# Altium PCB TBD name.PcbDoc
Units mm, origin at the board's own origin, x right, y up, seen from the top; angles counter-clockwise.
Board outline 90 x 60 mm, 2 copper layers (Top Layer, Bottom Layer); 126 components, 76 nets, 412 pads, 0 vias.
Unrouted connection lines stored in the file: 294.
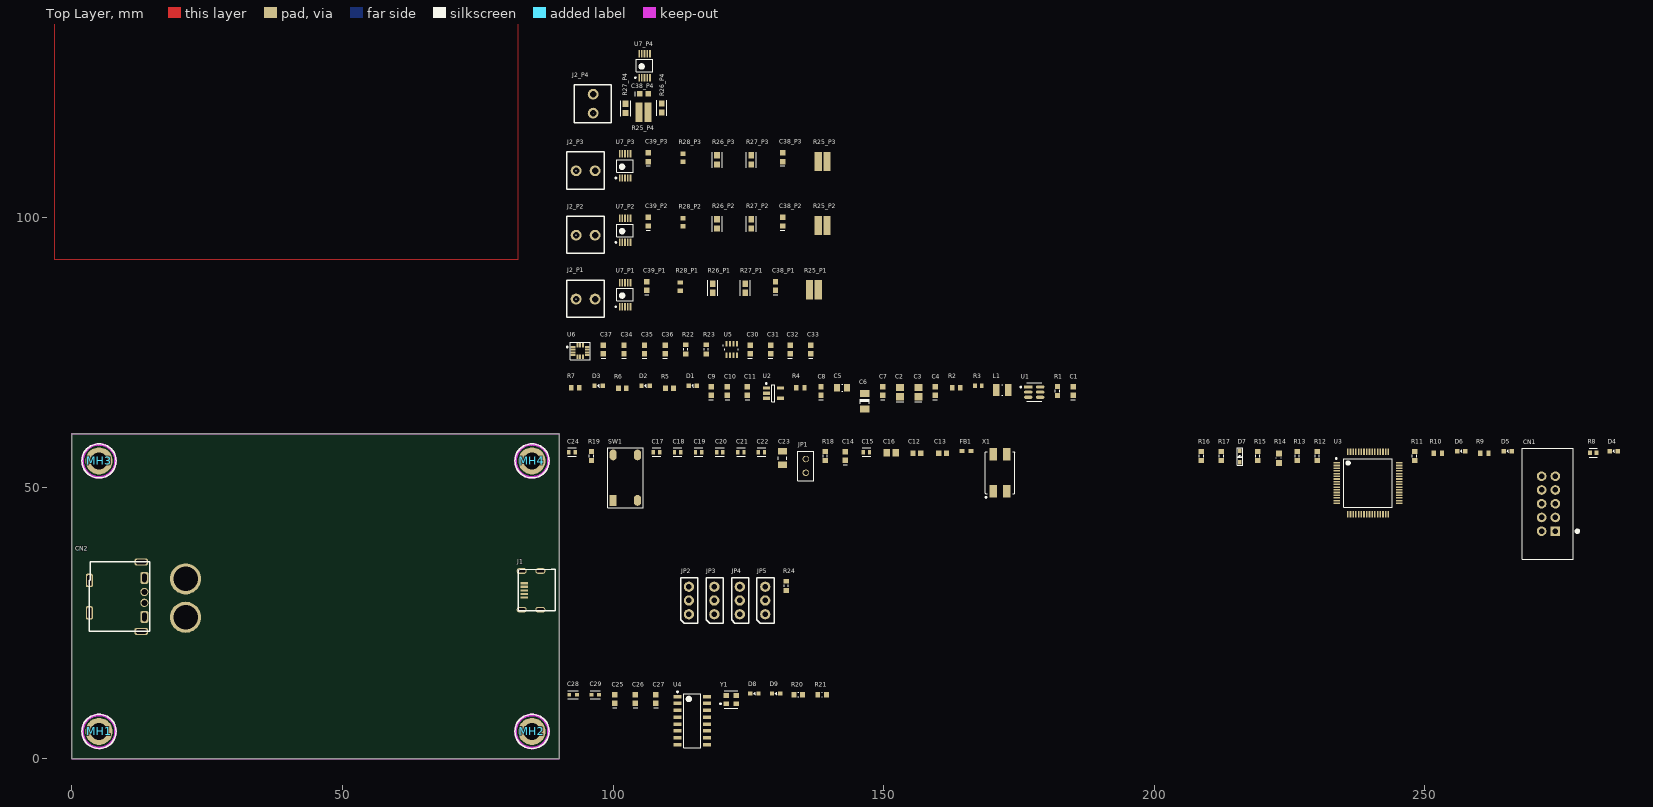
[diagram p0: Top Layer view]
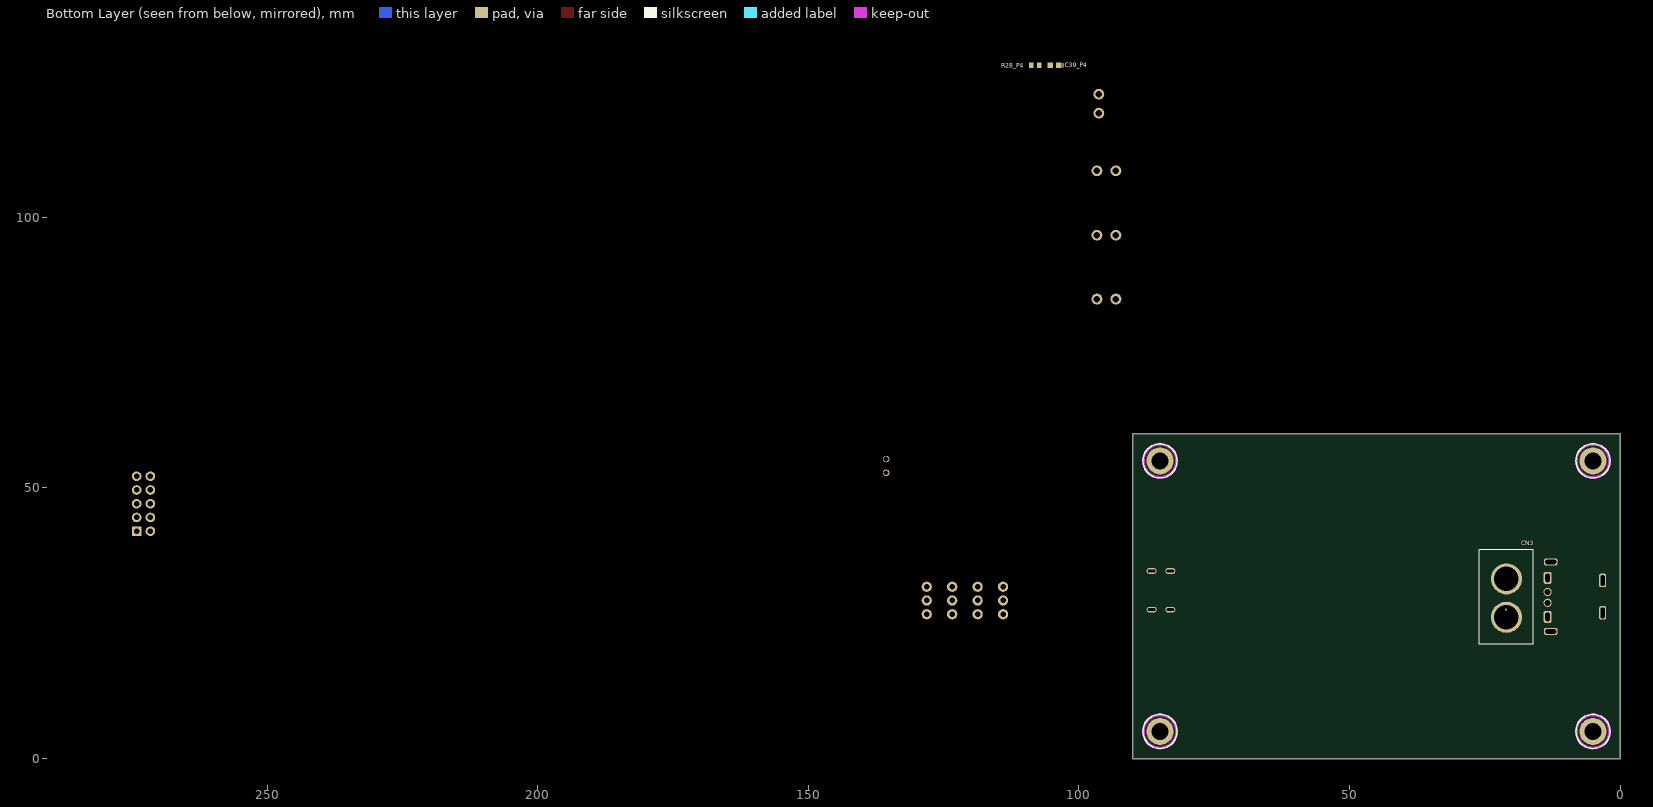
[diagram p1: Bottom Layer view, seen from below]

## Layer stack, top to bottom
Top Solder: solder mask 0.0102, Solder Resist, Dk 3.5
Top Layer: signal copper 0.0356
Dielectric 1: dielectric 0.32, FR-4, Dk 4.8
Bottom Layer: signal copper 0.0356
Bottom Solder: solder mask 0.0102, Solder Resist, Dk 3.5

## Board outline
0,0 90,0 90,60 0,60

## Design rules (kind name [scope] priority, off if disabled: settings)
Clearance [All] p1: gap=0.254 ignorepadtopadclearanceinfootprint=TRUE except(0: Arc-Hole Track-Hole SMDPad-Hole THPad-Hole Via-Hole Fill-Hole Poly-Hole Region-Hole Text-Hole)
PolygonConnect [All] p1: connectstyle=Relief reliefconductorwidth=0.254 reliefentries=4 polygonreliefangle="90 Angle" airgapwidth=0.254
RoomDefinition Sensors [InComponentClass('Sensors')] p1: confinementstyle=ConfineIn formatcopy=TRUE lockcomponents=FALSE outline 91.1,72.7 138.4,72.7 138.4,79.1 91.1,79.1
RoomDefinition Power [InComponentClass('Power')] p2: confinementstyle=ConfineIn formatcopy=TRUE lockcomponents=FALSE outline 91.1,60.6 186,60.6 186,71.4 91.1,71.4
RoomDefinition P4 [InComponentClass('P4')] p3: confinementstyle=ConfineIn formatcopy=TRUE lockcomponents=FALSE outline 91.1,116 115.1,116 115.1,133 91.1,133
RoomDefinition P3 [InComponentClass('P3')] p4: confinementstyle=ConfineIn formatcopy=TRUE lockcomponents=FALSE outline 91.1,104.1 141.8,104.1 141.8,114.7 91.1,114.7
RoomDefinition P2 [InComponentClass('P2')] p5: confinementstyle=ConfineIn formatcopy=TRUE lockcomponents=FALSE outline 91.1,92.2 141.8,92.2 141.8,102.9 91.1,102.9
RoomDefinition P1 [InComponentClass('P1')] p6: confinementstyle=ConfineIn formatcopy=TRUE lockcomponents=FALSE outline 91.1,80.4 140,80.4 140,91 91.1,91
RoomDefinition Micro [InComponentClass('Micro')] p7: confinementstyle=ConfineIn formatcopy=TRUE lockcomponents=FALSE outline 91.1,36.6 286.399,36.6 286.399,59.4 91.1,59.4
RoomDefinition External [InComponentClass('External')] p8: confinementstyle=ConfineIn formatcopy=TRUE lockcomponents=FALSE outline 91.2,15.7 151,15.7 151,35.4 91.2,35.4
RoomDefinition Communication [InComponentClass('Communication')] p9: confinementstyle=ConfineIn formatcopy=TRUE lockcomponents=FALSE outline 91.2,1.5 140.3,1.5 140.3,14.5 91.2,14.5
RoutingVias [All] p1: holewidth=0.711 width=1.27 viastyle="Through Hole" minholewidth=0.711 minwidth=1.27 maxholewidth=0.711 maxwidth=1.27
SolderMaskExpansion [All] p1: expansion=0.102 istentingtop=FALSE
Width [All] p1: maxlimit=0.254 minlimit=0.254 preferedwidth=0.254
30 further rules are at their usual default settings.

## Classes and differential pairs
channel class "Current Sensors": P1 P2 P3 P4
net class Motor_Reset[1..4]: Motor_Reset1 Motor_Reset2 Motor_Reset3 Motor_Reset4
net class Motor_Alert[1..4]: Motor_Alert1 Motor_Alert2 Motor_Alert3 Motor_Alert4
net class Motor_ADC[1..4]: Motor_ADC1 Motor_ADC2 Motor_ADC3 Motor_ADC4
component class Sensors: C30 C31 C32 C33 C34 C35 C36 C37 R22 R23 U5 U6
component class Power: C1 C2 C3 C4 C5 C6 C7 C8 C9 C10 C11 D1 D2 D3 L1 R1 R2 R3 R4 R5 R6 R7 U1 U2
component class P4: C38_P4 C39_P4 J2_P4 R25_P4 R26_P4 R27_P4 R28_P4 U7_P4
component class P3: C38_P3 C39_P3 J2_P3 R25_P3 R26_P3 R27_P3 R28_P3 U7_P3
component class P2: C38_P2 C39_P2 J2_P2 R25_P2 R26_P2 R27_P2 R28_P2 U7_P2
component class P1: C38_P1 C39_P1 J2_P1 R25_P1 R26_P1 R27_P1 R28_P1 U7_P1
component class Micro: C12 C13 C14 C15 C16 C17 C18 C19 C20 C21 C22 C23 C24 CN1 D4 D5 D6 D7 FB1 JP1 MH1 MH2 MH3 MH4 R8 R9 R10 R11 R12 R13 R14 R15 R16 R17 R18 R19 SW1 U3 X1
component class External: CN2 CN3 J1 JP2 JP3 JP4 JP5 R24
component class Communication: C25 C26 C27 C28 C29 D8 D9 R20 R21 U4 Y1

## Components (designator, comment, footprint, x,y, rotation, side; value= is the part's Value field where it differs from the comment)
C1 "0.1uF, 50V, 10%, X7R, 0603" "CAPC1608N(0603\")" 185,67.9 r90 top
C2 "22uF 35V 0805 SMD, Ceramic" "CAPC2012N(0805\")" 153,67.7 r90 top value=22µF
C3 "22uF 35V 0805 SMD, Ceramic" "CAPC2012N(0805\")" 156.4,67.7 r90 top value=22µF
C4 "Placeholder_Capacitor_0603" "CAPC1608N(0603\")" 159.5,67.9 r90 top value=DNP
C5 "10uF, 25V, X5R, 0805" CAPC2013X12N 142.3,68.5 r0 top
C6 "Placeholder_Capacitor_1206" "CAPC3216N(1206\")" 146.5,66 r90 top value=DNP
C7 "0.1uF, 50V, 10%, X7R, 0603" "CAPC1608N(0603\")" 149.8,67.9 r90 top
C8 "Placeholder_Capacitor_0603" "CAPC1608N(0603\")" 138.4,67.9 r90 top value=DNP
C9 "1uF 25V 0603 SMD, Ceramic" "CAPC1608N(0603\")" 118.1,67.9 r90 top value=1µF
C10 "0.1uF 16V 0603 SMD, Ceramic" "CAPC1608N(0603\")" 121.1,67.9 r90 top value=0.1µF
C11 "4.7uF 10V 0603 SMD, Ceramic" "CAPC1608N(0603\")" 124.8,67.9 r90 top value=4.7µF
C12 "16pF Ceramic 50V 5% 0603" CAPC1608X90X35ML10T15 156.1,56.4 r0 top
C13 "16pF Ceramic 50V 5% 0603" CAPC1608X90X35ML10T15 160.9,56.4 r0 top
C14 "2.2uF, 50V" "CAPC1608N(0603\")" 142.9,55.9 r90 top value=2.2µF
C15 "CL10B104JB8NNNC" FP-CL10-0_1-MFG 146.8,56.6 r0 top
C16 "CL21B105KBFNNNG" "0803 CAP" 151.4,56.5 r0 top
C17 "CL10B104JB8NNNC" FP-CL10-0_1-MFG 108,56.6 r0 top
C18 "CL10B104JB8NNNC" FP-CL10-0_1-MFG 111.9,56.6 r0 top
C19 "CL10B104JB8NNNC" FP-CL10-0_1-MFG 115.8,56.6 r0 top
C20 "CL10B104JB8NNNC" FP-CL10-0_1-MFG 119.7,56.6 r0 top
C21 "CL10B104JB8NNNC" FP-CL10-0_1-MFG 123.6,56.6 r0 top
C22 "CL10B104JB8NNNC" FP-CL10-0_1-MFG 127.4,56.6 r0 top
C23 "50V 10uF" CAPC3216X180X50LL20T30 131.3,55.5 r90 top
C24 "CL10B104JB8NNNC" FP-CL10-0_1-MFG 92.4,56.6 r0 top
C25 "0.1uF 16V 0603 SMD, Ceramic" "CAPC1608N(0603\")" 100.3,11 r90 top value=10µF
C26 "0.1uF 16V 0603 SMD, Ceramic" "CAPC1608N(0603\")" 104.1,11 r90 top value=0.1µF
C27 "1uF 50V 0603 SMD, Ceramic" "CAPC1608N(0603\")" 107.9,11 r90 top value=1µF
C28 "CGA3E2C0G1H180J080AA" FP-CGA3E-0_3-0_1-MFG 92.6,11.8 r0 top
C29 "CGA3E2C0G1H180J080AA" FP-CGA3E-0_3-0_1-MFG 96.7,11.8 r0 top
C30 "1uF 25V 0603 SMD, Ceramic" "CAPC1608N(0603\")" 125.3,75.6 r90 top value=1µF
C31 "0.1uF, 50V, 10%, X7R, 0603" "CAPC1608N(0603\")" 129.1,75.6 r90 top
C32 "10 nF, 50V 0603 SMD, Ceramic" "CAPC1608N(0603\")" 132.7,75.6 r90 top value=10nF
C33 "1nF, Ceramic, 50V, +-1%, SMD, NP0" "CAPC1608N(0603\")" 136.5,75.6 r90 top value=1nF
C34 "0.1uF, 50V, 10%, X7R, 0603" "CAPC1608N(0603\")" 102,75.6 r90 top
C35 "0.1uF, 50V, 10%, X7R, 0603" "CAPC1608N(0603\")" 105.8,75.6 r90 top
C36 "10 nF, 50V 0603 SMD, Ceramic" "CAPC1608N(0603\")" 109.6,75.6 r90 top value=10nF
C37 "1uF 25V 0603 SMD, Ceramic" "CAPC1608N(0603\")" 98.2,75.6 r90 top value=1µF
C38_P1 "0.1uF, 50V, 10%, X7R, 0603" "CAPC1608N(0603\")" 130,87.3 r90 top (schematic designator C38)
C38_P2 "0.1uF, 50V, 10%, X7R, 0603" "CAPC1608N(0603\")" 131.3,99.2 r90 top (schematic designator C38)
C38_P3 "0.1uF, 50V, 10%, X7R, 0603" "CAPC1608N(0603\")" 131.3,111.1 r90 top (schematic designator C38)
C38_P4 "0.1uF, 50V, 10%, X7R, 0603" "CAPC1608N(0603\")" 105.7,122.8 r0 top (schematic designator C38)
C39_P1 "10 nF, 50V 0603 SMD, Ceramic" "CAPC1608N(0603\")" 106.2,87.3 r90 top value=10nF (schematic designator C39)
C39_P2 "10 nF, 50V 0603 SMD, Ceramic" "CAPC1608N(0603\")" 106.5,99.2 r90 top value=10nF (schematic designator C39)
C39_P3 "10 nF, 50V 0603 SMD, Ceramic" "CAPC1608N(0603\")" 106.5,111.1 r90 top value=10nF (schematic designator C39)
C39_P4 "10 nF, 50V 0603 SMD, Ceramic" "CAPC1608N(0603\")" 104.5,128.1 r0 bottom value=10nF (schematic designator C39)
CN1 "ST Debug Header 10-pin THT" "10-pin shrouded header THT" 274.099,42 r90 top
CN2 "USB - Type A Female" "USB - Type A Female-Footprint-1" 13.38,29.773 r270 top
CN3 "XT-60, Male, 1x2, Through hole" "XT-60 Male" 21,26.1 r90 bottom
D1 "LT Q39G-Q1OO-25-1" FP-LB_Q39E-MFG 114.7,68.9 r0 top
D2 "LT Q39G-Q1OO-25-1" FP-LB_Q39E-MFG 106,68.9 r0 top
D3 "LT Q39G-Q1OO-25-1" FP-LB_Q39E-MFG 97.3,68.9 r0 top
D4 "Red" FP-LB_Q39E-MFG 284.899,56.8 r0 top
D5 "Blue" FP-LB_Q39E-MFG 265.299,56.8 r0 top
D6 "Green" FP-LB_Q39E-MFG 256.699,56.8 r0 top
D7 "CUS08F30,H3F" SC-76 215.8,55.8 r90 top
D8 "LT Q39G-Q1OO-25-1" FP-LB_Q39E-MFG 126.1,12 r0 top
D9 "LSQ976-NR-1" FP-LB_Q39E-MFG 130.1,12 r0 top
FB1 "BLM18AG601SN1D" MURA-BLM18-F-H1-CHIP-2_V 165.3,56.8 r0 top
J1 "USB - Micro B Female SMD" "Edge Connector" 83.6,31.075 r90 top
J2_P1 "2x1 Terminal Block 3.5mm" "2x1 Terminal Block 3.5mm-Footprint-1" 94.9,84.9 r0 top (schematic designator J2)
J2_P2 "2x1 Terminal Block 3.5mm" "2x1 Terminal Block 3.5mm-Footprint-1" 94.9,96.7 r0 top (schematic designator J2)
J2_P3 "2x1 Terminal Block 3.5mm" "2x1 Terminal Block 3.5mm-Footprint-1" 94.9,108.6 r0 top (schematic designator J2)
J2_P4 "2x1 Terminal Block 3.5mm" "2x1 Terminal Block 3.5mm-Footprint-1" 96.3,121 r90 top (schematic designator J2)
JP1 "1x2 Male Header" "2X1 Males Header" 135.6,52.8 r90 top
JP2 "1x3 Male Jumper" "Header, Male, 1x3, Pitch: 0.1\" (2.54mm),THT" 114,29.2 r90 top
JP3 "1x3 Male Jumper" "Header, Male, 1x3, Pitch: 0.1\" (2.54mm),THT" 118.7,29.2 r90 top
JP4 "1x3 Male Jumper" "Header, Male, 1x3, Pitch: 0.1\" (2.54mm),THT" 123.4,29.2 r90 top
JP5 "1x3 Male Jumper" "Header, Male, 1x3, Pitch: 0.1\" (2.54mm),THT" 128.1,29.2 r90 top
L1 "DFE252012P-1R5M=P2" INDC2520X12N 171.9,68.1 r0 top
MH1 "Mount_Hole_3mm" Mount-Hole_3mm 5,5 r0 top locked
MH2 "Mount_Hole_3mm" Mount-Hole_3mm 85,5 r0 top locked
MH3 "Mount_Hole_3mm" Mount-Hole_3mm 5,55 r0 top locked
MH4 "Mount_Hole_3mm" Mount-Hole_3mm 85,55 r0 top locked
R1 "0R, 1%, 1/10W, 0603 SMD" "RESC1608N(0603\")" 182.1,67.9 r90 top value=0R
R2 "RC0603FR-0710KL" RESC1608X55X25ML10T15 163.4,68.5 r0 top
R3 "ERJ-3EKF7322V" RESC1608X55X30LL15T15 167.5,68.9 r0 top
R4 "RC0603FR-0710KL" RESC1608X55X25ML10T15 134.6,68.5 r0 top
R5 "ERJ3EKF1001V" RESC1608X55X30ML15T15 110.4,68.4 r0 top
R6 "536R" RESC1608X55X30ML15T15 101.7,68.4 r0 top
R7 "110R" RESC1608X55X25ML10T15 93,68.5 r0 top
R8 "CRCW0603330RFKEA" FP-CRCW0603-e3-IPC_C 281.099,56.5 r0 top
R9 "RC0603FR-07110RL" RESC1608X55X25ML10T15 260.999,56.4 r0 top
R10 "RC0603FR-07110RL" RESC1608X55X25ML10T15 252.399,56.4 r0 top
R11 "10kR" "RESC1608N(0603\")" 248.099,55.9 r90 top value=10k
R12 "10kR" "RESC1608N(0603\")" 230.099,55.9 r90 top value=10k
R13 "10kR" "RESC1608N(0603\")" 226.399,55.9 r90 top value=10k
R14 "169kR, 1%, 1/10W, 0603" RESC0603(1608)_M 223,55.5 r90 top
R15 "34kR, 1%, 1/10W, 0603" "RESC1608N(0603\")" 219.1,55.9 r90 top
R16 "100kR, 1%, 1/10W, 0603 SMD" "RESC1608N(0603\")" 208.7,55.9 r90 top value=100k
R17 "100kR, 1%, 1/10W, 0603 SMD" "RESC1608N(0603\")" 212.4,55.9 r90 top value=100k
R18 "10kR" "RESC1608N(0603\")" 139.2,55.9 r90 top value=10k
R19 "10kR" "RESC1608N(0603\")" 96,55.9 r90 top value=10k
R20 "RC0603FR-07750RL" RESC0603(1608)_N 134.2,11.8 r0 top
R21 "RC0603FR-07750RL" RESC0603(1608)_N 138.6,11.8 r0 top
R22 "4.7kR, 1%, 1/8W, 0603 SMD" "RESC1608N(0603\")" 113.4,75.6 r90 top value=4.7k
R23 "4.7kR, 1%, 1/8W, 0603 SMD" "RESC1608N(0603\")" 117.2,75.6 r90 top value=4.7k
R24 "0R, 1%, 1/10W, 0603 SMD" "RESC1608N(0603\")" 132,31.9 r90 top value=0R
R25_P1 "3mR, 1%, 1W, 1206" RESC1632X07M 137.1,86.6 r0 top (schematic designator R25)
R25_P2 "3mR, 1%, 1W, 1206" RESC1632X07M 138.7,98.5 r0 top (schematic designator R25)
R25_P3 "3mR, 1%, 1W, 1206" RESC1632X07M 138.7,110.3 r0 top (schematic designator R25)
R25_P4 "3mR, 1%, 1W, 1206" RESC1632X07M 105.6,119.4 r180 top (schematic designator R25)
R26_P1 "ERJ3EKF10R0V" FP-ERJ3EK-IPC_A 118.4,86.9 r90 top (schematic designator R26)
R26_P2 "ERJ3EKF10R0V" FP-ERJ3EK-IPC_A 119.2,98.8 r90 top (schematic designator R26)
R26_P3 "ERJ3EKF10R0V" FP-ERJ3EK-IPC_A 119.2,110.6 r90 top (schematic designator R26)
R26_P4 "ERJ3EKF10R0V" FP-ERJ3EK-IPC_A 109,120.2 r270 top (schematic designator R26)
R27_P1 "ERJ3EKF10R0V" FP-ERJ3EK-IPC_A 124.4,86.9 r90 top (schematic designator R27)
R27_P2 "ERJ3EKF10R0V" FP-ERJ3EK-IPC_A 125.5,98.8 r90 top (schematic designator R27)
R27_P3 "ERJ3EKF10R0V" FP-ERJ3EK-IPC_A 125.5,110.6 r90 top (schematic designator R27)
R27_P4 "ERJ3EKF10R0V" FP-ERJ3EK-IPC_A 102.3,120.151 r270 top (schematic designator R27)
R28_P1 "RC0603FR-0710KL" RESC1608X55X25ML10T15 112.4,87.2 r90 top (schematic designator R28)
R28_P2 "RC0603FR-0710KL" RESC1608X55X25ML10T15 112.9,99.1 r90 top (schematic designator R28)
R28_P3 "RC0603FR-0710KL" RESC1608X55X25ML10T15 112.9,111 r90 top (schematic designator R28)
R28_P4 "RC0603FR-0710KL" RESC1608X55X25ML10T15 108.05,128.1 r0 bottom (schematic designator R28)
SW1 "PTS645SL43SMTR92LFS" 4-SPST-NO 100,47.9 r90 top
U1 "TPS563249DDCR" FP-DDC0005A-IPC_B 177.8,67.7 r0 top
U2 "LP2981-33DBVR" SOT95P280X145-5N 129.6,67.5 r0 top
U3 "STM32F413RGT6" FP-LQFP64-5W-MFG 239.499,50.9 r0 top
U4 "WCH-CH340G" SOP127P600X175-16N 114.6,7 r0 top
U5 "BMP280 Barometric Pressure Sensor" BOSC-LGA-8_V 121.9,75.6 r0 top
U6 "LSM6DSMTR, Accelerometer/Gyroscope, LGA-14" FP-LGA-14L-DM00249496-MFG 93.9,75.3 r0 top
U7_P1 "INA381A3IDGSR" TSSOP50P490X110-10N 102.2,85.7 r90 top (schematic designator U7)
U7_P2 "INA381A3IDGSR" TSSOP50P490X110-10N 102.2,97.6 r90 top (schematic designator U7)
U7_P3 "INA381A3IDGSR" TSSOP50P490X110-10N 102.2,109.5 r90 top (schematic designator U7)
U7_P4 "INA381A3IDGSR" TSSOP50P490X110-10N 105.8,128.025 r90 top (schematic designator U7)
X1 "CRYSTAL 8.0MHZ 16PF SMD" QFN250P750X520X140_HS-5M 171.5,52.8 r90 top
Y1 "8Z-12.000MAAJ-T" FP-8Z-MFG 121.8,10.9 r0 top

## Footprints (in the part's own frame and the unit in brackets; to place one, negate y for a bottom-side part, rotate by r counter-clockwise, add the part's x,y. Pads: shape width x height; smd on the part's side, far side on the other; paste and mask are expansions set on the pad)
"2X1 Males Header" [mm]
  round 1.2 hole 0.9: 1(0,0) 2(2.54,0)
  silkscreen extent -1.5,-1.5 4,1.5, body extent -1.27,-1.24 3.81,1.25, height 8.54
"2x1 Terminal Block 3.5mm-Footprint-1" [mm]
  round 2 hole 1.2: 1(-1.75,0) 2(1.75,0)
  silkscreen extent -3.5,-3.37 3.5,3.49, body extent -3.57,-4.32 4.08,4.08, height 13.05
4-SPST-NO [mm]
  rect 2x1.3 smd: 1(-0.2,0)
  oval 2x1.3 smd: 2(8.2,0) 3(-0.2,-4.5) 4(8.2,-4.5)
  silkscreen extent -1.52,-5.59 9.53,1.02, body extent -0.56,-5.29 8.44,0.71, height 5
"10-pin shrouded header THT" [mil]
  rect 70x70 hole 40: 1(0,0)
  round 70 hole 40: 2(100,0) 3(200,0) 4(300,0) 5(400,0) 6(0,100) 7(100,100) 8(200,100) 9(300,100) 10(400,100)
  silkscreen extent -205,-170 605,240, body extent -198,-124 598,234, height 358
"0803 CAP" [mm] "Chip Capacitor, 2-Leads, Body 2.00x1.25mm, IPC Medium Density"
  rect 1.2x1.4 smd: 1(-0.85,0) 2(0.85,0)
  body extent -1.05,-0.67 1.05,0.67, height 1.25
BOSC-LGA-8_V [mm] "LGA, 8-Leads, Body 2.5x2mm, Pitch 0.65mm"
  rect 0.35x1 smd: 1(-0.975,1.05) 2(-0.325,1.05) 3(0.325,1.05) 4(0.975,1.05) 5(0.975,-1.05) 6(0.325,-1.05) 7(-0.325,-1.05) 8(-0.975,-1.05)
  silkscreen extent -1.64,-0.16 1.25,0.79, body extent -1.25,-1 1.25,1, height 1
"CAPC1608N(0603\")" [mm] "Chip Capacitor, Body 1.6x0.8mm (0603\"), IPC Medium Density"
  rect 1x1 smd: 1(-0.8,0) 2(0.8,0)
  silkscreen extent -1.6,-0.4 -1.6,0.4, body extent -0.8,-0.4 0.8,0.4, height 0.9
CAPC1608X90X35ML10T15 [mm] "Chip Capacitor, 2-Leads, Body 1.60x0.80mm, IPC Low Density"
  rect 0.95x1.05 smd: 1(-0.725,0) 2(0.725,0)
  body extent -0.85,-0.45 0.85,0.45, height 0.9
"CAPC2012N(0805\")" [mm] "Chip Capacitor, Body 2.0x1.3mm (0805\"), IPC Medium Density"
  rect 1.3x1.5 smd: 1(-0.85,0) 2(0.85,0)
  silkscreen extent -1.8,-0.65 -1.8,0.65, body extent -1,-0.62 1,0.63, height 1
CAPC2013X12N [mm] "Chip Capacitor, 2-Leads, Body 2.05x1.30mm, IPC Medium Density"
  rect 1.1x1.45 smd: 1(-0.925,0) 2(0.925,0)
  silkscreen extent -0.1,-0.63 0.1,0.63, body extent -1.07,-0.7 1.07,0.7, height 1.25
"CAPC3216N(1206\")" [mm] "Chip Capacitor, Body 3.2x1.6mm (1206\"), IPC Medium Density"
  rect 1.3x1.8 smd: 1(-1.45,0) 2(1.45,0)
  silkscreen extent -0.4,-0.8 0.4,0.8, body extent -1.6,-0.8 1.6,0.8, height 1
CAPC3216X180X50LL20T30 [mm] "Chip Capacitor, 2-Leads, Body 3.4x1.8mm, IPC High Density"
  rect 1.2x1.7 smd: 1(-1.25,0) 2(1.25,0)
  silkscreen extent -0.25,-0.75 0.25,0.75, body extent -1.7,-0.9 1.7,0.9, height 1.8
"Edge Connector" [mm]
  rect 0.4x1.4 smd: 1(-1.3,0) 2(-0.65,0) 3(0,0) 4(0.65,0) 5(1.3,0)
  oval 1.05x1.85 hole 1.4 slot 0.45 at 0 deg: 6(-3.575,0.5) 7(-3.575,-2.95) 8(3.575,0.5) 9(3.575,-2.95)
  silkscreen extent -3.81,-5.71 3.94,1.14, body extent -4,-5.71 4,0.89, height 3.02
FP-8Z-MFG [mm]
  rect 1x0.9 smd paste+0 mask+0: 1(-0.925,-0.775) 2(0.925,-0.775) 3(0.925,0.775) 4(-0.925,0.775)
  silkscreen extent -2.1,-1.6 1.25,1.6, body extent -1.53,-1.33 1.53,1.33, height 0.25
FP-CGA3E-0_3-0_1-MFG [mm]
  rect 0.7x0.7 smd paste+0 mask+0: 1(-0.7,0) 2(0.7,0)
  silkscreen extent -0.95,-0.72 0.95,0.72, body extent -1.15,-0.65 1.15,0.65, height 0.25
FP-CL10-0_1-MFG [mm]
  rect 0.625x0.825 smd paste+0 mask+0: 1(-0.575,0) 2(0.575,0)
  silkscreen extent -0.8,-0.79 0.8,0.79, body extent -0.99,-0.55 0.99,0.55, height 0.25
FP-CRCW0603-e3-IPC_C [mm]
  rect 0.735x0.862 smd paste+0 mask+0: 1(-0.615,0) 2(0.615,0)
  silkscreen extent -0.75,-0.85 0.75,0.85, body extent -1.08,-0.58 1.08,0.58, height 0.25
FP-DDC0005A-IPC_B [mm]
  rect 1.554x0.572 smd paste+0 mask+0: 1(-1.1,0.95)
  rrect100% 1.554x0.572 smd paste+0 mask+0: 2(-1.1,0) 3(-1.1,-0.95) 4(1.1,-0.95) 5(1.1,0) 6(1.1,0.95)
  silkscreen extent -2.6,-1.7 1.4,1.7, body extent -2.13,-1.7 2.13,1.7, height 0.25
FP-ERJ3EK-IPC_A [mil]
  rect 45.53x41.82 smd paste+0 mask+0: 1(-33.5,0) 2(33.5,0)
  silkscreen extent -56,-37 56,37, body extent -76,-41 76,41, height 10
FP-LB_Q39E-MFG [mm]
  rect 0.8x0.8 smd paste+0 mask+0: 1(-0.75,0) 2(0.75,0)
  silkscreen extent -0.13,-0.25 0.13,0.25, body extent -1.25,-0.55 1.25,0.55, height 0.25
FP-LGA-14L-DM00249496-MFG [mil]
  rect 35x13.78 smd paste+0 mask+0: 1(-52,29.53) 2(-52,9.84) 3(-52,-9.84) 4(-52,-29.53) 8(52,-29.53) 9(52,-9.84) 10(52,9.84) 11(52,29.53)
  rect 13.78x35 smd paste+0 mask+0: 5(-19.69,-42) 6(0,-42) 7(19.68,-42) 12(19.68,42) 13(0,42) 14(-19.69,42)
  silkscreen extent -98,-62 72,62, body extent -81,-71 81,71, height 10
FP-LQFP64-5W-MFG [mm]
  rect 1.2x0.3 smd paste+0 mask+0: 1(-5.75,3.75) 2(-5.75,3.25) 3(-5.75,2.75) 4(-5.75,2.25) 5(-5.75,1.75) 6(-5.75,1.25) 7(-5.75,0.75) 8(-5.75,0.25) 9(-5.75,-0.25) 10(-5.75,-0.75) 11(-5.75,-1.25) 12(-5.75,-1.75) 13(-5.75,-2.25) 14(-5.75,-2.75) 15(-5.75,-3.25) 16(-5.75,-3.75) 33(5.75,-3.75) 34(5.75,-3.25) 35(5.75,-2.75) 36(5.75,-2.25) 37(5.75,-1.75) 38(5.75,-1.25) 39(5.75,-0.75) 40(5.75,-0.25) 41(5.75,0.25) 42(5.75,0.75) 43(5.75,1.25) 44(5.75,1.75) 45(5.75,2.25) 46(5.75,2.75) 47(5.75,3.25) 48(5.75,3.75)
  rect 0.3x1.2 smd paste+0 mask+0: 17(-3.75,-5.75) 18(-3.25,-5.75) 19(-2.75,-5.75) 20(-2.25,-5.75) 21(-1.75,-5.75) 22(-1.25,-5.75) 23(-0.75,-5.75) 24(-0.25,-5.75) 25(0.25,-5.75) 26(0.75,-5.75) 27(1.25,-5.75) 28(1.75,-5.75) 29(2.25,-5.75) 30(2.75,-5.75) 31(3.25,-5.75) 32(3.75,-5.75) 49(3.75,5.75) 50(3.25,5.75) 51(2.75,5.75) 52(2.25,5.75) 53(1.75,5.75) 54(1.25,5.75) 55(0.75,5.75) 56(0.25,5.75) 57(-0.25,5.75) 58(-0.75,5.75) 59(-1.25,5.75) 60(-1.75,5.75) 61(-2.25,5.75) 62(-2.75,5.75) 63(-3.25,5.75) 64(-3.75,5.75)
  silkscreen extent -6.02,-4.5 4.5,4.65, body extent -6.45,-6.45 6.45,6.45, height 0.25
"Header, Male, 1x3, Pitch: 0.1\" (2.54mm),THT" [mm]
  round 1.9 hole 1.016: 1(-2.54,0) 2(0,0) 3(2.54,0)
  silkscreen extent -4.19,-1.65 4.19,1.52, body extent -3.81,-1.27 3.81,1.27, height 9.5
INDC2520X12N [mm] "Chip Inductor, 2-Leads, Body 2.50x2.00mm, IPC Medium Density"
  rect 1.23x2.22 smd: 1(-1.085,0) 2(1.085,0)
  silkscreen extent -0.1,-1.01 0.1,1.01, body extent -1.35,-1.1 1.35,1.1, height 1.2
Mount-Hole_3mm [mm]
  round 5 hole 3.1: 1(0,0)
  Keep-Out Layer circle w0.508: c0,0 r3.048
  silkscreen extent -3.15,-3.15 3.15,3.15, body extent -2.25,-2.6 2.25,2.6, height 4.19
MURA-BLM18-F-H1-CHIP-2_V [mm] "Chip Ferrite Bead, 2-Leads, Body 1.6x0.8mm, Height 0.95mm, Flow"
  rect 0.95x0.7 smd: 1(-0.825,0) 2(0.825,0)
  body extent -0.8,-0.4 0.8,0.4, height 0.95
QFN250P750X520X140_HS-5M [mm] "QFN, 4-Leads, Body 7.50x5.20mm, Pitch 2.50mm, Thermal Pad 4.10x1.10mm, IPC Low Density"
  rect 2.3x1.4 smd: 1(-3.4,1.25) 2(-3.4,-1.25) 3(3.4,-1.25) 4(3.4,1.25)
  silkscreen extent -4.67,-2.75 3.9,2.75, body extent -3.75,-2.6 3.75,2.6, height 1.4
RESC0603(1608)_M [mm] "Chip Resistor, Body 1.6x0.8mm, IPC Low Density"
  rect 1.1x1.1 smd: 1(-0.9,0) 2(0.9,0)
  silkscreen extent -0.05,-0.45 0.05,0.45, body extent -0.85,-0.47 0.85,0.47, height 0.6
RESC0603(1608)_N [mm] "Chip Resistor, Body 1.6x0.8mm, IPC Medium Density"
  rect 0.9x1 smd: 1(-0.8,0) 2(0.8,0)
  silkscreen extent -0.05,-0.4 0.05,0.4, body extent -0.85,-0.47 0.85,0.47, height 0.6
"RESC1608N(0603\")" [mm] "Chip Resistor, Body 1.6x0.8mm (0603\"), IPC Medium Density"
  rect 0.9x1 smd: 1(-0.85,0) 2(0.85,0)
  silkscreen extent -0.2,-0.4 0.2,0.4, body extent -0.77,-0.42 0.78,0.43, height 0.44
RESC1608X55X25ML10T15 [mm] "Chip Resistor, 2-Leads, Body 1.60x0.80mm, IPC Low Density"
  rect 0.8x1 smd: 1(-0.75,0) 2(0.75,0)
  body extent -0.85,-0.45 0.85,0.45, height 0.55
RESC1608X55X30LL15T15 [mm] "Chip Resistor, 2-Leads, Body 1.60x0.80mm, IPC High Density"
  rect 0.7x0.85 smd: 1(-0.625,0) 2(0.625,0)
  body extent -0.87,-0.48 0.87,0.48, height 0.55
RESC1608X55X30ML15T15 [mm] "Chip Resistor, 2-Leads, Body 1.60x0.80mm, IPC Low Density"
  rect 0.9x1.05 smd: 1(-0.725,0) 2(0.725,0)
  body extent -0.87,-0.48 0.87,0.48, height 0.55
RESC1632X07M [mm] "Chip Resistor, 2-Leads, Body 1.60x3.20mm, IPC Low Density"
  rect 1.3x3.55 smd: 1(-0.8,0) 2(0.8,0)
  body extent -0.9,-1.73 0.9,1.73, height 0.7
SC-76 [mm]
  rect 0.8x0.6 smd: A(-1.05,0) K(1.05,0)
  silkscreen extent -1.65,-0.5 1.65,0.5, body extent -1.25,-0.65 1.25,0.6, height 0.9
SOP127P600X175-16N [mm] "SOP, 16-Leads, Body 9.90x3.90mm, Pitch 1.27mm, IPC Medium Density"
  rect 1.45x0.65 smd: 1(-2.725,4.445) 2(-2.725,3.175) 3(-2.725,1.905) 4(-2.725,0.635) 5(-2.725,-0.635) 6(-2.725,-1.905) 7(-2.725,-3.175) 8(-2.725,-4.445) 9(2.725,-4.445) 10(2.725,-3.175) 11(2.725,-1.905) 12(2.725,-0.635) 13(2.725,0.635) 14(2.725,1.905) 15(2.725,3.175) 16(2.725,4.445)
  silkscreen extent -2.85,-5 1.6,5.44, body extent -2,-5 2,5, height 1.75
SOT95P280X145-5N [mm] "SOT23, 5-Leads, Body 2.90x2.80mm, Pitch 0.95mm, IPC Medium Density"
  rect 1.3x0.6 smd: 1(-1.3,0.95) 2(-1.3,0) 3(-1.3,-0.95) 4(1.3,-0.95) 5(1.3,0.95)
  silkscreen extent -1.42,-1.55 0.3,1.92, body extent -1.5,-1.53 1.5,1.53, height 1.45
TSSOP50P490X110-10N [mm] "TSSOP, 10-Leads, Body 3.00x3.00mm, Pitch 0.50mm, IPC Medium Density"
  rect 1.35x0.3 smd: 1(-2.225,1) 2(-2.225,0.5) 3(-2.225,0) 4(-2.225,-0.5) 5(-2.225,-1) 6(2.225,-1) 7(2.225,-0.5) 8(2.225,0) 9(2.225,0.5) 10(2.225,1)
  silkscreen extent -2.35,-1.55 1.15,1.82, body extent -2.45,-1.55 2.45,1.55, height 1.1
"USB - Type A Female-Footprint-1" [mil]
  rrect50% 86.6x59.06 hole 31.5 slot 63 at 0 deg: 1(-141.74,0) 4(141.74,0)
  round 60 hole 43.31: 2(-39.38,0) 3(39.38,0)
  rrect50% 51.18x98.43 hole 31.5 slot 78.74 at 90 deg: 5(247.76,-22.83) 8(-257.76,-22.84)
  rrect50% 98.43x51.18 hole 31.5 slot 78.74 at 0 deg: 6(113.12,-400.78) 7(-123.1,-400.78)
  silkscreen extent -258,-401 248,40, body extent -310,-512 310,57, height 290
"XT-60 Male" [mm]
  round 5.75 hole 4.5: 1(0,0) 2(7.1,0)
  silkscreen extent -5,-5 12.5,5, body extent -4.2,-4 11.7,4.15, height 16.5
